# KiCad board Rogelio Pineda - connect 5 AMLDC-2044B.kicad_pcb (continued)
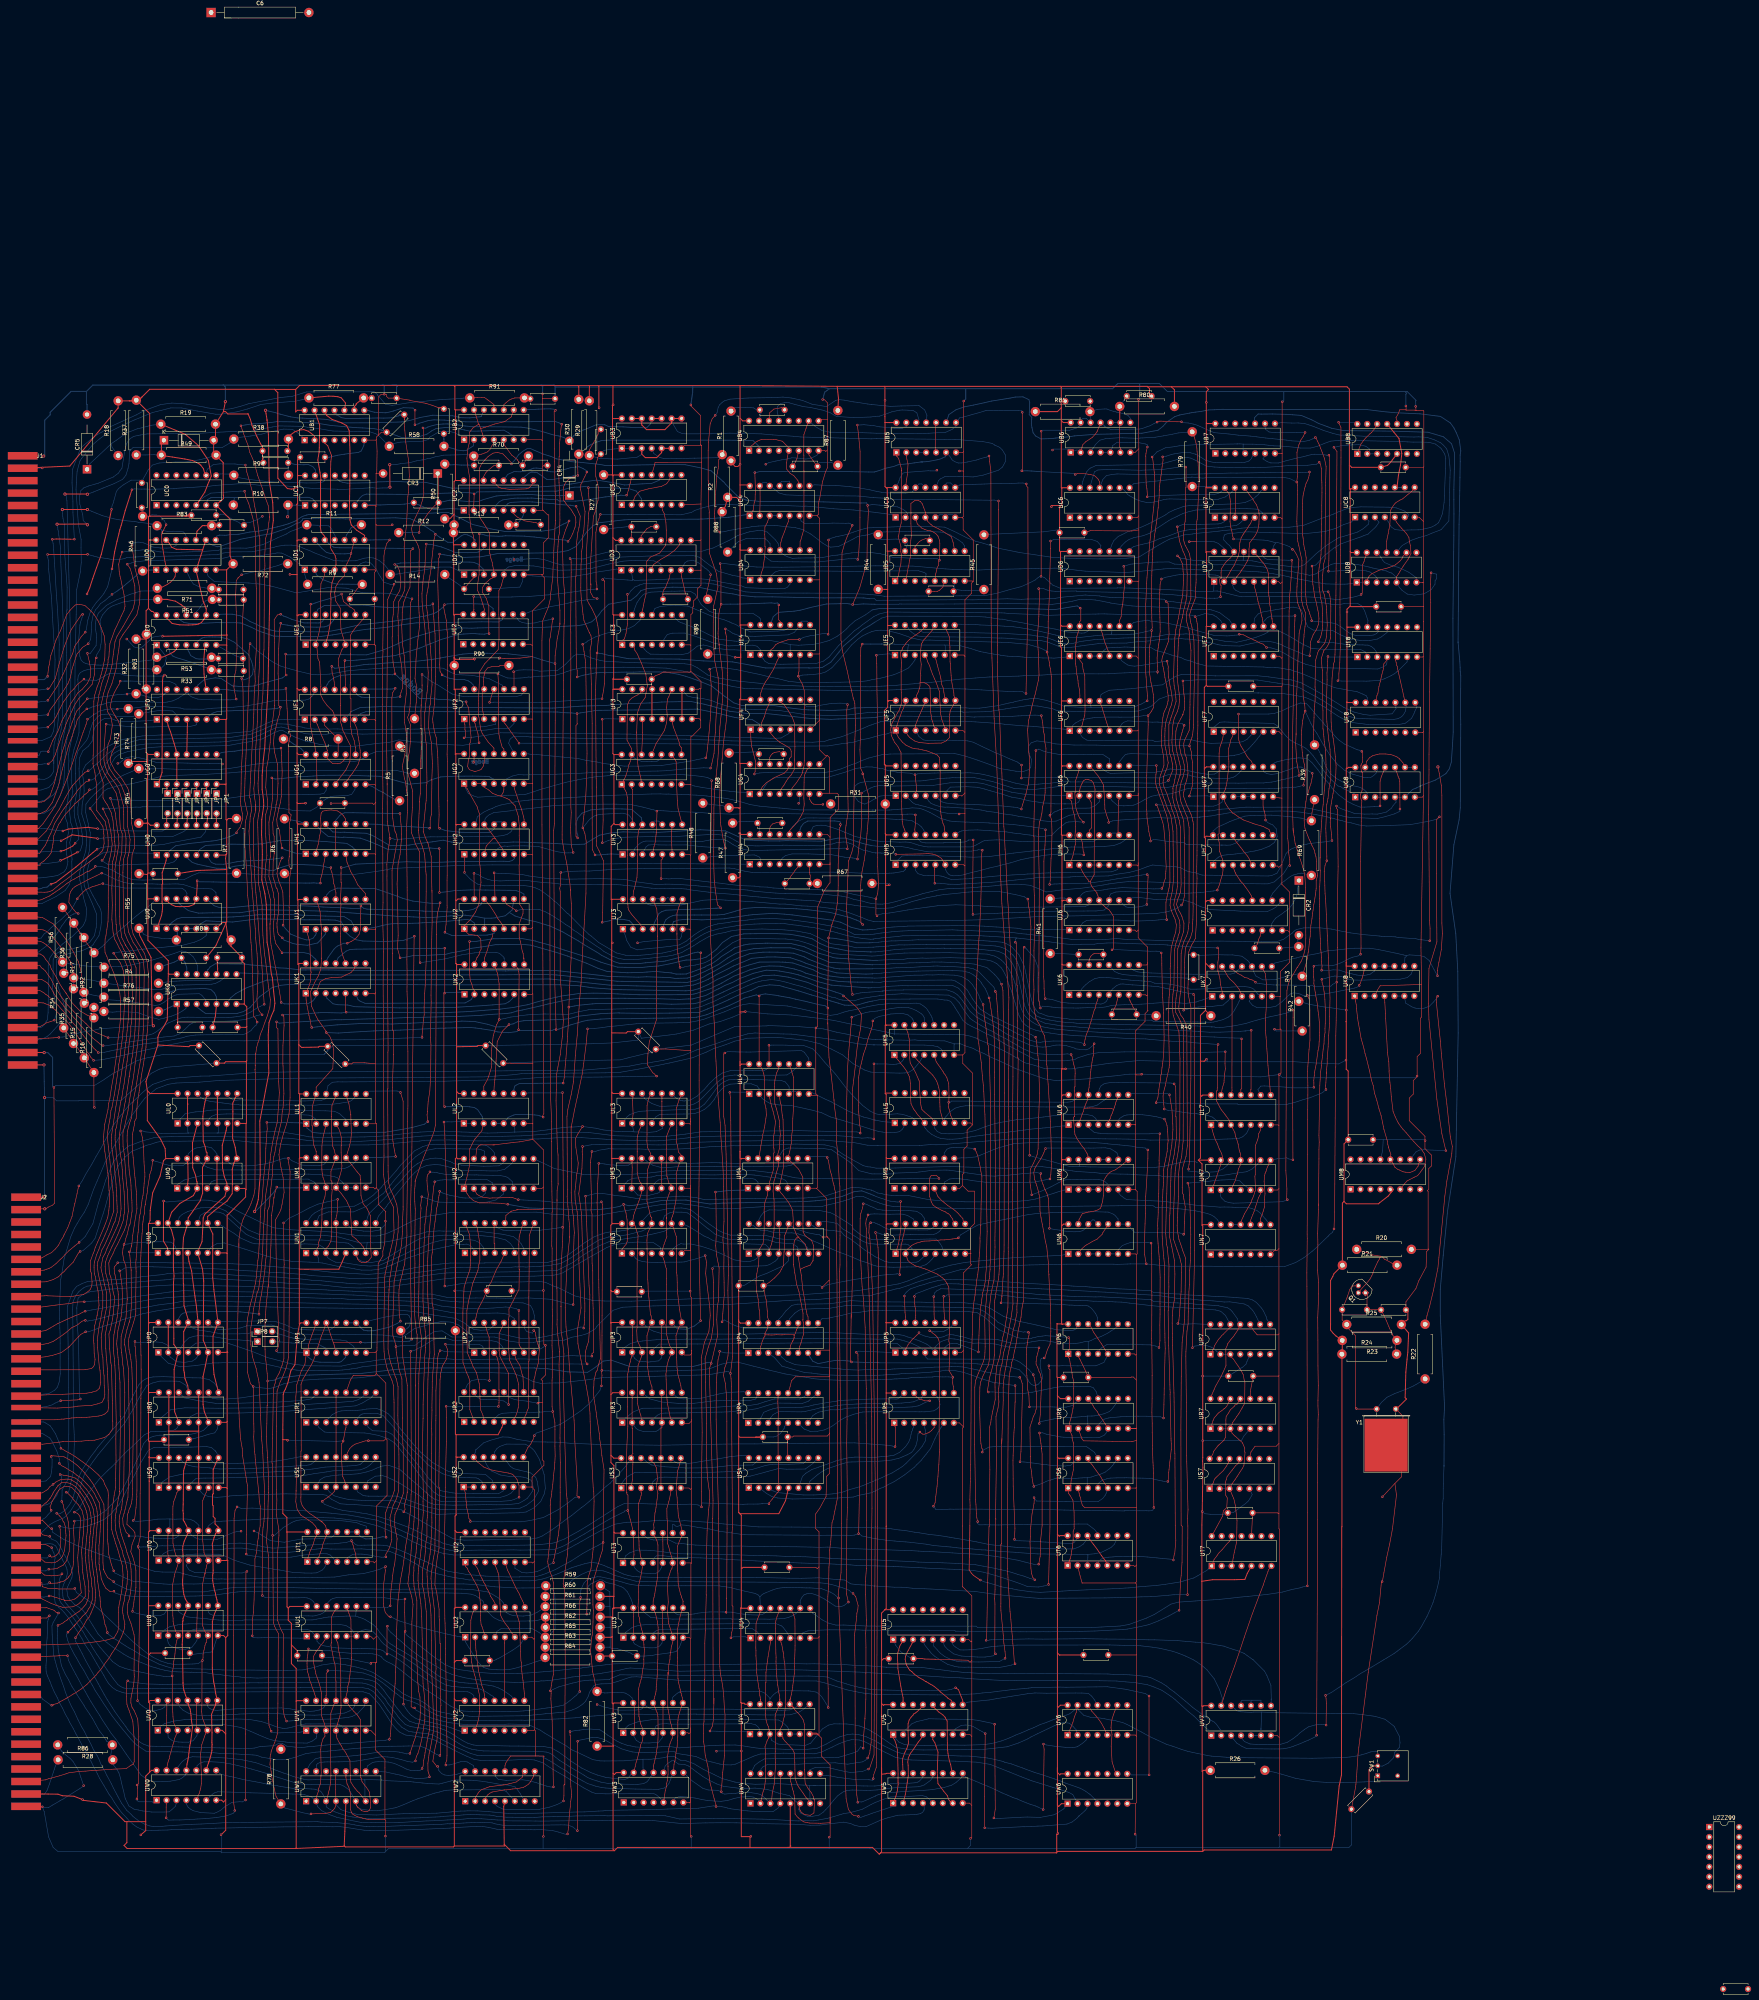
[diagram p0: board, top side]
## Routing (per net, layer and track width the routed paths; a pad name or vN(x,y) marks a point on that pad's centre or on a via; arc(x,y) is an arc through that point) (continued)
M2p6: length 202.3
  Top w0.15: 178.52,68.63 178.5,68.64 ; 178.5,68.64 178.5,71.91 178.51,73.4 178.23,76.15 178.04,77.86 177.83,89.2 177.7,94.91 177.47,98.32 177.27,99.65 177.14,100.54 176.76,104.17 176.79,105.82 176.84,106.76 176.85,107.16 177.41,110.64 177.5,111.89 177.58,112.46 177.57,112.47 177.69,115.57 178.1,121.56 178.03,124.34 178.09,125.51 178.11,126.66 177.86,136.82 178.04,145.48 178.05,145.5 178.05,149.02 178.12,151.6 178.46,161.21 178.72,163.64 178.67,163.69 178.79,165.69 178.59,167.79 178.33,170.36 178.02,175.64 178.05,182.14 178.12,183.16 178.32,190.34 178.43,192.04 178.51,195.08 178.77,196.58 178.87,198.91 179.18,200.34 179.23,201.25 179.39,202.67 179.13,204.83 179.03,206.27 179.08,207.21 179.28,207.83 179.81,208.36 v1(179.81,208.49) ; 178.5,68.64 178.24,66.96 177.82,64.12 177.37,62.1 176.73,59.94 176.35,59.24 v1(176.09,58.04)
  Bottom w0.15: UM2.6 200.85,205.98 200.18,206.64 199.71,207.04 199.11,207.29 197.81,207.54 196.1,207.61 195.9,207.61 192.23,207.68 191.77,207.71 191.27,207.69 186.82,207.74 185.12,207.78 183.77,207.85 182.21,208.13 181.61,208.28 180.88,208.39 180.33,208.41 v1(179.81,208.49) ; 150.71,55.38 150.79,57 151.06,57.33 151.61,57.61 151.85,57.65 152.9,57.78 153.69,57.81 154.74,57.8 156.34,57.81 159.89,57.9 161.08,58.03 163.09,58.35 164.85,58.65 166.69,59.01 167.73,59.12 168.87,59.07 170.12,58.95 172.57,58.36 174.03,57.92 175.37,57.71 v1(176.09,58.04)
M2p9: length 122.9
  Top w0.15: UN5.10 313.53,195.69 313.38,196.43 312.91,197.03 312.81,197.3 312.33,197.77 311.91,197.97 311.47,198.29 310.63,198.63 309.2,199.38 308.36,200.01 307.94,200.73 307.86,200.97 307.49,202.23 307.44,206.34 307.58,207.1 307.86,207.52 308.58,207.62 309.24,207.53 309.56,207.25 309.84,206.83 v1(309.86,206.81) 309.89,206.83 309.96,206.83
  Bottom w0.15: UM2.9 208.78,210.71 211.57,209.35 214.85,208.67 216.7,208.3 219.04,207.82 222.03,207.89 227.35,207.86 228.17,207.81 231.61,207.89 232.68,207.97 234.92,208.11 239.39,208.62 240,208.74 244.74,208.83 247.47,208.78 254.11,208.87 258.19,208.84 258.02,208.8 258.58,208.84 262.36,208.84 262.89,208.77 266.08,208.39 268.17,208.14 269.35,207.86 270.7,207.53 272.92,206.99 274.42,206.85 278.9,206.82 292.82,206.64 308.56,206.81 309.86,206.81 v1(309.86,206.81)
M3p1: length 48.1
  Bottom w0.15: 230.32,206.15 230.39,206.23 230.4,206.23 ; 230.32,206.15 228.82,204.65 UM3.1 ; 230.32,206.15 231.46,206.83 233.66,207 236.37,207.16 237.73,207.52 242.5,207.84 245.27,207.78 252.53,207.71 254.53,207.76 260.95,207.8 262.66,207.68 266.84,207.11 268.8,206.89 269.82,206.72 270.68,206.32 271.22,205.51 UM4.5 UM4.6
M3p12: length 41.4
  Bottom w0.15: UM4.9 273.36,211.13 273.01,210.83 272.75,210.62 272.13,210.21 270.97,209.97 264.63,209.89 264.15,209.87 262.42,209.82 257.84,209.79 256.35,209.9 255.54,209.84 253.12,209.84 252.42,209.81 251.26,209.88 243.78,209.87 240.59,209.6 239.21,209.51 236.81,210.15 235.57,210.88 235.1,211.31 234.2,211.92 UM3.12
M5p5: length 12.4
  Top w0.15: UM5.5 308.97,204.01 309.12,203.29 309.46,202.5 309.55,202.29 309.81,201.97 310.53,201.19 310.96,200.85 311.22,200.61 312.08,199.93 312.72,199.48 313.55,198.95 313.94,198.64 314.54,198.09 314.79,197.85 315.28,197.29 315.39,197.17 315.97,196.56 316.12,195.64 UN5.9
M5p9: length 191.7
  Top w0.15: 320.5,194.85 320.55,194.8 ; 320.55,194.8 320.34,191.57 320.37,190.83 320.27,187.79 320.11,186.38 320.05,184.76 319.77,182.23 319.47,180.67 319.38,179.54 319.18,178.28 319.09,177.03 318.86,175.71 318.68,174.47 318.57,172.92 318.48,172.08 318.37,166.87 318.14,160.19 317.98,133.68 317.93,132.16 317.92,130.24 317.87,129.31 317.76,124.81 317.81,123.33 317.76,118.17 ; 320.55,194.8 320.63,200.26 320.66,201.14 320.83,207.32 320.56,208.69 320.44,209.6 320.18,210.76 319.79,212.59 319.37,213.65 v1(319.01,214.32) ; UT7.1 380.17,109.51 380.8,110.3 380.96,110.59 381.46,111.27 382.22,111.99 383.37,113.39 384.19,114.23 384.64,115.45
  Top w0.2: 317.76,118.17 317.58,106.85 318.15,105.99 318.72,105.4 320.39,104.25 v1(320.45,104.25)
  Bottom w0.15: v1(319.01,214.32) 318.93,214.32 318.22,214.51 ; UM5.9 311.2,213.29 311.9,214.28 312.67,214.61 313.16,214.65 313.56,214.66 314.4,214.66 316.5,214.67 318.18,214.52 ; UT7.1 378.3,106.69 377.36,106.19 376.03,105.36 374.94,104.76 373.12,104.24 372.27,103.98 371.52,103.76 367.76,103.16 365.47,102.86 362.55,102.64 360.95,102.51 358.4,102.24 357.44,102.2 356.08,102.09 354.31,102.03 353.08,101.96 347.69,101.74 343.34,101.53 341.35,101.42 335.83,101.1 333.54,101.22 329.81,101.74 328.7,101.99 325.73,102.52 324.43,102.97 322.54,103.52 321.32,103.81 v1(320.45,104.25)
M6p2: length 5.1
  Bottom w0.15: UM6.2 UM6.3 UM6.4
M6p6: length 42.1
  Bottom w0.15: UM6.6 355.68,203.56 355.87,202.94 356.33,202.43 356.74,202.13 357.15,201.82 357.85,201.4 367.38,200.96 369.01,200.72 369.79,200.54 370.81,200.54 372.73,200.31 373.49,200.29 374.8,200.05 376.76,199.87 381.68,199.48 382.75,199.52 383.7,199.5 384.83,199.47 385.66,199.41 388.93,199.37 389.87,199.1 391.13,198.6 391.98,197.96 393.23,196.5 393.49,196.22 393.88,195.69 UN7.8
M6p8: length 23.3
  Top w0.15: UN6.13 345.66,196.32 346.49,197.8 347.52,198.1 347.77,198.18 348.83,198.33 349.83,198.54 350.51,198.8 351.13,199.2 351.29,199.65 351.45,200.15 351.68,200.96 351.86,202.36 351.95,206.2 352.45,207.1 352.71,207.47 353.35,208.2 353.92,208.61 354.95,209.01 356.46,210.11 356.95,210.52 UM6.8
M6p11: length 2.5
  Bottom w0.15: UM6.11 UM6.10
M7p6: length 9.3
  Top w0.15: UM7.6 392.03,202.9 391.82,202.47 391.52,201.89 390.82,199.74 390.39,198.39 390.05,197.56 389.77,196.87 389.49,196.11 UN7.10
MSKO: length 47
  Top w0.15: UJ1.11 155.79,279.74 155.54,280.61 155.52,281.28 155.21,282.14 155,283.81 154.73,285.01 154.45,285.75 154.45,286.17 v1(154.49,286.2) 154.45,286.24 154.45,286.26
  Bottom w0.2: UH0.4 118.05,288.4 118.2,288.28 119.07,287.53 120.33,287.08 122.78,286.55 125.29,286.03 127.71,286 129.99,286.56 132.33,286.87 133.8,286.73 135.31,286.43 136.5,286.09 137.39,285.88 138.53,285.52 139.91,285.46 140.77,285.92 143.98,286.92 146.66,287 151.42,286.77 152.49,286.57 153.08,286.42 153.63,286.24 v1(154.49,286.2)
N0p2: length 289.4
  Top w0.25: 111.88,201.08 111.85,201.05 v1(111.72,201.05) 111.72,200.92 111.71,200.92 111.7,190.83 112.76,189.04 UN0.2
  Bottom w0.15: v1(111.72,201.05) 112.48,200.8 115.44,201.04 121.16,201.3 123.31,201.25 124.19,201.06 126.65,200.57 129.33,199.19 131.54,198.03 135.07,196.34 137.27,195.26 139.97,194.19 144.2,193.71 148,193.52 155.01,193.12 156.98,192.8 160.23,192.38 161.71,192.18 166.13,192.11 168.5,192.65 171.16,193.81 173.37,194.95 175.32,195.94 177.91,196.95 183.7,197.87 184.95,198.09 207.12,198.2 210.8,197.7 213.71,197.55 214.71,197.41 222.13,197.23 224.51,197.69 228.2,198.33 229.92,198.58 234.21,199.34 236.45,199.75 239.02,200.15 241.13,200.33 243.79,200.36 247.38,199.94 251.96,199.11 257.94,199.17 267.51,199.76 280.07,199.69 281.54,200.05 283.97,200.64 285.42,201.05 287.07,201.54 288.91,202.26 289.57,202.25 290.53,202.18 292.82,201.17 294.11,200.75 294.73,200.5 295.55,200.25 296.64,199.91 298.31,199.64 299.32,199.61 310.28,199.28 311.59,199.22 317.21,199.12 317.45,199.09 317.73,199.1 323.99,198.92 325.69,198.89 328.9,198.93 330.09,199.23 332.57,199.45 333.58,199.57 337.81,199.67 338.66,199.65 355.67,199.83 356.59,199.86 363.82,199.88 364.56,199.85 365.18,199.44 367.81,199.37 369.51,199.19 371.95,199 372.64,198.87 375.16,198.6 375.35,198.55 376.74,198.27 378.49,197.83 379.26,197.58 380.15,197.07 380.98,196.32 UN7.13
N1p4: length 519.7
  Top w0.15: 253.02,46.3 v1(252.9,46.4) 252.88,46.87 252.44,48.35 251.34,52.58 251.22,53.63 250.83,56.61 250.15,59.48 249.93,61.67 249.71,63.05 249.72,64.98 249.65,66.98 249.83,68.03 249.99,78.9 250.03,78.94 250.03,88.07 250.16,91.33 250.41,100.43 250.39,100.45 250.46,110.21 250.62,116.82 251.01,122.15 251.13,123.28 251.22,124.84 251.17,127.06 250.76,130.09 250.64,131.61 250.58,132.85 250.52,135.29 250.51,139.42 250.49,144.31 250.22,154.81 250.11,160.81 250.49,162.17 250.89,163.61 251.76,166.15 252,168 252.24,169.57 252.27,174.11 252.29,178.03 252.24,180.32 v1(252,183.79) ; 149.45,44.45 v1(149.41,44.51) 153.17,44.67 154.31,44.85 154.39,44.85 154.91,45.32 155.51,46.03 155.63,46.45 155.79,47.76 155.7,50.69 155.75,55.25 ; UW4.13 UW4.4 ; UN4.4 269.1,187.79 269.2,192.5 ; 142.37,195.57 142.37,195.5 v1(142.41,195.46) 142.51,185.84 142.56,184.85 142.52,184.31 142.49,160.79 142.01,159.06 141.29,157.12 140.49,155.67 140.26,154.54 139.8,153.08 139.62,141.47 139.56,140.51 139.45,134.12 139.56,134.01 139.56,115.7 v1(139.61,115.66) 139.56,115.61 139.56,114.9 139.65,112.22 139.78,93.41 140.12,92.4 140.53,91.56 141.07,90.62 140.96,72.79 140.93,70.46 140.87,68.98 140.89,68.08 140.91,67.49 140.85,67.09 140.95,65.91 140.83,65 140.57,64.1 140.17,62.82 139.66,61.59 139.26,60.56 139.24,60.56 139.14,59.75 138.95,59.04 139.01,58.06 138.95,57.54 138.93,57.17 139.1,56.15 139.23,55.28 139.32,54.4 139.39,53.93 139.68,52.9 139.89,51.58 140.09,50.78 140.22,49.95 140.49,48.96 R78.1 ; 156.26,201.47 v1(156.23,201.47) 156.17,199.19 156.08,198.07 155.99,197.31 155.77,196.59 155.78,196.56 UN1.13 155.83,194.34 155.9,192.49 155.93,188.97 UN1.4 ; 269.22,192.33 UN4.13
  Bottom w0.15: R78.1 142.76,46.01 144.85,45.48 147.22,44.83 149.3,44.4 v1(149.41,44.51) ; UT1.8 163.49,116.75 163.54,117.99 162.01,118.5 161.09,118.89 158.46,119.26 156.5,119.46 146.96,119.63 145.67,119.44 144.54,118.99 142.87,117.98 142.3,117.62 141.69,117.06 140.06,115.66 v1(139.61,115.66) ; UW4.4 268.8,46.07 268.25,45.65 267.45,45.1 264.12,45.1 262.14,45.19 260.86,45.29 259.89,45.4 256.66,45.82 255.87,46 255.17,46.22 254.41,46.34 253.76,46.48 v1(252.9,46.4) 252.44,46.54 252.2,46.56 251.19,46.4 248.37,45.97 246.8,45.89 245.41,45.9 240.58,45.76 237.73,45.64 224.67,45.41 224.04,45.28 222.85,45.24 219.36,45.02 217.28,45 208.38,44.73 201.62,44.55 199.86,44.63 195.9,44.99 194.77,45.11 191.9,45.28 189.41,45.29 188.72,45.25 187.64,45.24 185.5,45.08 185.31,45.02 181.56,44.7 174.55,44.59 173,44.56 171.86,44.51 166.11,44.23 161.2,44.39 158.46,45.1 157.06,45.59 155.91,46.75 155.79,47.76 ; UN4.4 268.69,186.32 268.02,185.68 266.65,184.85 265.66,184.51 257.91,184.28 256.4,184.27 253.99,184.36 252.4,184.41 252,183.85 v1(252,183.79) ; v1(142.41,195.46) 143.74,196.61 145.9,197.64 149.04,199.3 151.17,200.24 153.47,200.82 v1(156.23,201.47)
N1p9: length 43.9
  Bottom w0.15: UN1.9 166.65,197.19 168.34,199.21 168.74,199.7 169,200.16 172.98,204.93 174.52,206.86 175.88,208.26 177.17,209.37 179.03,210.15 181.08,210.36 182.53,210.25 185.89,209.41 187.2,208.9 192.89,208.81 194.35,208.75 197.09,208.73 198.91,209.15 199.5,209.65 200.92,210.77 UM2.11
N1p10: length 44.4
  Bottom w0.15: 176.62,210.58 178.09,211.43 179.94,211.89 181.14,212 182.66,211.92 183.91,211.4 184.87,211.17 185.8,210.69 187.92,210.2 189.45,210.12 193.51,209.94 195.32,209.97 197.43,210.03 198.01,210.43 198.52,210.84 UM2.12 ; 176.62,210.58 175.73,209.94 175.38,209.65 174.92,209.1 174.45,208.62 174,208.09 173.28,207.38 172.67,206.54 171.02,204.84 169.91,203.53 166.18,199.73 165.58,199.14 164.84,198.41 164.16,197.79 UN1.10 ; 176.62,210.58 176.49,210.5
N1p15: length 52.8
  Bottom w0.15: UN1.15 151.51,197.34 153.85,198.27 156.37,198.29 160.24,198.26 163.51,199.66 166.75,202.2 167.92,203.01 169.85,205.27 170.45,206.08 173.54,209.6 174.61,210.88 176.15,212.36 178.39,213.89 181.26,214.43 183.27,214.42 192.23,214.31 193.01,214.1 193.8,213.77 193.8,213.2 UM2.14
N1p16: length 58.1
  Bottom w0.15: UM2.13 196.29,212.89 196.36,213.24 195.55,214.24 194.32,215.19 193.1,215.4 185.43,215.56 179.66,215.48 177.95,214.94 175.85,213.85 172.24,210.13 171.15,208.73 168.83,206.11 167.96,205.31 167.4,204.55 165.25,202.48 163.49,201.27 160.53,199.74 153.08,199.26 151.58,198.69 150.37,198 149.64,197.42 UN1.16
N2p9: length 51.4
  Top w0.15: 205.08,151.42 205.04,151.45 ; 205.04,151.45 205.04,148.3 204.72,147.65 204.37,146.61 203.79,145.34 UR2.7 ; 205.04,151.45 205.04,160.1 205.11,160.17 205.11,166.27 205.08,166.3 205.08,176.73 205.18,187.68 205.18,192.24 205.9,194.25 UN2.9
N2p10: length 52.6
  Top w0.15: UN2.10 203.35,194.62 202.91,193.09 202.61,191.89 202.49,189.9 202.51,189.8 202.58,183.64 202.7,183.53 202.63,183.46 202.56,178.48 201.68,176.81 201.05,175.51 199.99,173.47 200.01,171.55 199.85,170.79 199.9,170.74 199.9,163.16 199.85,163.12 199.94,163.02 200.13,160.43 201.12,158.21 201.86,156.52 202.49,154.15 202.49,149.2 202.35,148.22 202.1,147.2 201.72,146.12 201.25,145.43 UR2.6
N2p15: length 52.2
  Top w0.15: UN2.15 191.91,194.23 192.42,190.9 192.53,190.33 192.56,185.94 192.31,184.82 192.07,183.36 190.72,179.93 189.67,175.5 189.24,173.11 189.22,168.36 189.33,162.37 190.31,160.1 190.79,158.83 191.69,157.19 192.39,154.42 192.51,153.34 192.58,150.81 192.6,150.57 192.79,147.63 193.35,146.33 193.51,144.74 UR2.3
N2p16: length 51.9
  Top w0.15: UN2.16 189.13,194.51 189.92,192.49 190.23,188.96 190.18,188.91 190.18,186 190.23,185.95 190.1,184.61 190.02,183.52 189.21,181.21 188.53,179.04 188.27,174.01 188.22,172.47 188.22,167.78 188.29,167.71 188.19,167.6 188.24,159.85 189.11,157.31 189.65,156.14 190,155.06 189.97,152.6 190,151.03 190,147.76 190.65,146.01 UR2.2
N4p9: length 27.7
  Bottom w0.15: UN4.9 280.04,195.86 280.78,195.81 282.67,195.58 283.91,195.26 285.2,193.94 286.85,193.01 288.43,192.03 290.53,190.69 292.11,190.14 293,190.1 293.5,190.06 293.79,190.03 300.98,190.03 301.39,190.04 301.99,189.89 302.66,189.29 302.98,188.85 UN5.3
N4p10: length 33.7
  Bottom w0.15: UN4.10 277.75,194.67 278.65,194.05 279.28,193.85 281.34,193.62 282.8,193.5 284.83,193.24 285.67,192.24 287.15,191.4 289.08,189.96 290.14,189.12 290.98,188.48 292.06,187.84 292.19,187.75 293.08,187.13 293.62,186.79 296.05,185.61 296.99,185.41 297.93,185.36 301.27,185.36 303.24,185.3 304.22,185.44 304.7,185.67 305.02,185.94 305.66,186.53 305.69,186.53 306.4,187.24 UN5.4
N4p15: length 54.3
  Bottom w0.15: UN4.15 263.83,196.19 264.31,197.17 265.05,198.12 266.45,198.77 279.36,198.63 282.04,198.08 283.04,197.65 286.68,195.39 287.69,194.7 287.96,193.9 288.43,193.56 289.28,192.87 290.28,192.16 291.55,191.65 292.72,191.2 302.7,191.23 307.57,191.33 309.1,191.33 309.54,190.96 310.31,189.94 310.65,189.31 310.79,188.81 310.91,188.62 UN5.6
N4p16: length 51.3
  Bottom w0.15: UN5.5 308.94,187.28 308.22,186.37 308.04,186.14 307.3,185.4 306.54,184.8 305.34,184.39 303.89,184.22 302.76,184.19 301.68,184.2 298.29,184.13 297.29,184.16 294.6,184.29 294.38,184.33 293.6,184.51 292.84,184.74 291.39,185.31 289.78,185.81 287.99,186.57 286.07,187.36 284.5,187.93 282.33,188.83 280.56,189.64 279.18,190.26 277.78,190.84 275.78,192.02 273.87,192.66 273.25,192.79 272.23,192.92 271.37,192.89 267.51,193.05 265.94,193.47 264.23,193.62 263.27,194.08 262.51,194.77 UN4.16
N5p11: length 173
  Top w0.15: 293.09,53.47 v1(293.06,53.53) 293.2,54.54 293.83,56.31 293.94,57.61 294.13,117.95 294.19,159.87 294.39,186.57 294.29,189.11 293.99,191.48 293.83,192.32 v1(293.65,193.01)
  Bottom w0.15: UW4.9 280.38,54.24 281.12,54.32 282.13,54.21 283.85,53.88 285.85,53.61 288.81,53.24 291.8,53.24 292.06,53.22 292.96,53.11 v1(293.06,53.53) ; UN5.11 310.58,194.08 310.3,193.65 309.92,193.24 309.2,192.74 308.41,192.49 303.17,192.44 302.62,192.43 302.61,192.44 297.37,192.33 296.91,192.35 296.25,192.42 295.69,192.44 295.06,192.61 294.66,192.79 294.24,192.89 v1(293.65,193.01)
N5p12: length 174.2
  Top w0.15: 291.79,56.05 v1(291.84,55.97) 292.11,56.05 293.27,59.55 293.57,117.95 293.57,129.93 292.9,177.71 292.2,191.6 291.95,192.99 292.03,194.44 292.03,195.13 v1(292.41,195.51)
  Bottom w0.15: v1(292.41,195.51) 292.62,195.51 293.3,195.54 293.65,195.38 294.17,195.17 294.68,194.96 295.81,194.32 296.74,193.9 297.44,193.69 303.92,193.69 304.62,193.65 306.94,193.67 307.29,193.72 307.8,193.88 308.37,194.29 UN5.12 ; v1(291.84,55.97) 290.35,55.38 287.34,55.07 285.07,55.51 282.93,56.02 281.52,56.4 279.66,56.42 278.29,56.37 276.88,55.81 UW4.10
N5p13: length 188.9
  Top w0.15: v1(290.53,200.35) 290.35,199.32 289.87,197.77 289.72,196.57 289.71,189.36 290.04,182.48 290.22,179.31 290.55,176.07 291.01,168.75 291.12,158.7 291.29,153.22 291.25,147.79 291.4,125.66 291.35,119.49 291.35,107.22 291.33,107.19 291.07,103.81 291.14,100.53 291.3,94.08 291.35,94.03 291.14,90.67 291.21,87.03 291.21,80.46 291.18,80.44 291.18,75.01 291.18,73.8 290.95,68.79 ; 290.54,61.61 290.64,64.82 290.79,66.58 290.97,68.97 ; v1(290.5,61.29) 290.43,61.27
  Bottom w0.15: UW4.16 262.83,56.95 263.88,57.75 265.26,58.57 274.21,58.75 278.95,58.85 281.92,58.92 284.24,58.97 288.25,60.18 289.09,60.56 289.86,61.68 v1(290.5,61.29) ; v1(290.53,200.35) 290.97,200.31 291.47,200.13 291.88,199.94 292.43,199.66 293,199.47 294.04,198.95 295.46,198.72 298.46,198.6 299.56,198.62 302.02,198.59 302.71,198.56 303.24,198.5 304.18,198.42 305.46,197.61 305.46,197.59 305.71,197.22 306.11,196.69 UN5.13
N5p14: length 181.5
  Top w0.15: v1(291.75,197.49) 291.27,196.26 291.16,195.27 291.31,193.94 291.27,191.94 291.6,187.76 292.03,176.72 292.69,145.97 292.75,122.53 292.68,117.29 292.58,65.61 292.54,62.81 292.42,61.79 292.23,60.69 292.2,60.09 v1(291.65,58.79) 291.65,58.77
  Bottom w0.15: v1(291.65,58.79) 291.06,58.21 290.28,57.8 288.51,57.54 286.57,57.22 284.97,57.34 283.33,57.57 279.26,57.44 277.11,57.41 274.03,57.21 268.6,57.19 266.97,57.19 266.03,57.14 264.88,56.53 264.4,55.99 264.25,54.8 ; UN5.14 303.33,196.44 301.83,197.36 300.68,197.67 299.85,197.72 297.34,197.67 293.33,197.75 292.34,197.7 v1(291.75,197.49)
N6p3: length 2.5
  Bottom w0.15: UN6.3 UN6.4
N6p10: length 11.1
  Top w0.15: UN6.2 345.47,187.72 346.43,188.91 347.29,189.68 347.63,189.86 349.15,190.76 350.25,191.3 351.54,192.51 351.73,192.93 352.44,194.01 UN6.10
N7p12: length 29.2
  Top w0.15: UL7.6 391.95,218.97 391.53,218.19 391.51,217.6 391.3,216.67 390.75,215.29 390.69,214.58 390.69,207.87 390.59,207.33 390.77,203.66 390.57,203.43 390.29,202.37 389.84,201.38 389.59,200.64 389.25,200.02 388.72,199.09 387.94,197.79 387.62,197.06 387.13,196 386.95,195
  Bottom w0.15: UN7.12 386.95,195
P0p1: length 279.7
  Top w0.15: v1(219.99,159.42) 219.61,159.95 219.51,162.48 219.9,163.91 220.35,165.23 220.55,168.41 220.66,177.13 220.46,179.36 219.83,195.78 219.74,197.24 v1(219.55,202.28)
  Bottom w0.15: 292.57,203.83 293.2,203.58 294.18,203.1 295.31,202.9 296.33,202.64 297.72,202.49 299.13,202.47 302.14,202.43 305.69,201.7 307.36,201.38 310.9,201.04 314.64,200.99 315.73,200.9 316.32,200.84 328.23,200.81 328.25,200.83 332.49,201.19 334.57,201.56 337.91,202.6 340.58,203.49 341.85,203.85 UM6.1 ; 292.57,203.83 291.34,204.08 290.28,204.35 288.56,204.51 287.24,204.41 283.96,203.35 280.42,202.21 277.46,201.91 276.59,201.89 275.48,201.81 271.04,201.72 269.45,201.74 262.93,201.66 260.82,201.68 250.01,201.38 247.85,201.9 244.49,202.28 243.54,202.27 237.17,201.82 235.81,201.53 234.19,201.47 232.32,201.76 231.1,201.96 229.55,202.22 227,202.48 225.82,202.7 223.88,202.98 222.25,202.96 220.74,202.63 v1(219.55,202.28) ; 292.57,203.83 292.66,203.82 ; UP0.1 110.4,162.04 112.93,159.63 116.05,158.7 119.79,159 124.61,159.7 125.69,159.7 128.56,159.82 136.26,159.74 142.61,158.32 145.81,157.85 147.18,157.77 156.4,157.81 157.41,157.88 159.23,158.09 159.76,158.17 161.25,158.38 162.48,158.7 165.41,159.02 167.1,159.26 172.16,159.67 173.54,159.76 178.17,159.76 178.75,159.76 179.64,159.79 180.96,159.64 181.6,159.52 218.63,159.41 v1(219.99,159.42)
P0p4: length 332.2
  Top w0.15: 220.8,210.82 v1(221.18,213.69) ; v1(221.18,161.42) 221.18,162 221.62,162.44 221.5,173.56 221.45,174.94 221.43,176.3 221.4,183.2 221.31,184.53 221.23,185.09 221.21,197.71 220.97,198.52 221.11,201.79 221.01,203.59 220.82,210.97
  Bottom w0.15: v1(221.18,161.42) 220.17,161.46 217.4,161.49 216.19,161.59 214.77,161.49 212.4,161.28 208.81,160.64 202.35,160.72 201.82,160.67 200.42,160.73 188.47,160.54 188.45,160.56 185.84,160.62 184.5,160.73 180.59,160.86 178.98,160.94 175.98,161 173.68,161.07 171.56,160.96 170.95,160.95 169.13,160.76 168.6,160.7 168.07,160.59 165.89,160.35 164.63,160.11 160.28,159.55 157.19,158.88 148.24,158.97 144.63,159.41 138.34,161.04 134.28,162.66 130.14,164.06 127.33,165 121.74,164.92 120,164.74 118.71,163.74 UP0.4 ; v1(221.18,213.69) 222.09,213.69 222.85,214 225.44,214.4 226.8,214.35 233.31,214.34 234.88,214.27 242.21,214.29 246.87,214.48 247.76,214.58 251.3,214.9 252.79,214.92 257.27,215.16 258.79,215.15 266.44,215.3 273.27,215.59 280.7,215.39 283.3,214.77 284.2,213.76 285.59,212.82 287.76,211.58 290.47,210.1 291.58,209.78 292.31,209.74 293.81,209.44 295.65,209.44 296.5,209.43 298.68,209.48 312.73,209.85 326.1,209.43 327.31,209.41 329.16,209.41 330.4,209.44 331.56,209.57 332.14,209.59 333.16,209.79 334.87,209.98 336.21,209.82 338.31,209.54 339.74,209.28 341.64,209.09 343.98,208.74 345.06,208.58 349.52,208.32 350.96,208.15 352.19,208.04 352.91,208.02 356.19,207.92 358.04,207.9 359.19,207.87 360.42,207.74 365.1,207.57 365.47,207.56 366.2,207.56 367.25,207.24 369.19,207.24 374.31,207.2 379.35,207.34 380.16,207.42 381.14,207.43 383.97,207.84 385.64,208.13 388.49,208.53 389.86,209.22 390.88,210.09 391.22,210.43 UM7.9
P0p9: length 319.3
  Top w0.15: v1(219.09,168.59) 219.22,169.56 219.33,170.55 219.29,171.4 219.38,172.82 219.38,174.86 218.84,189.52 218.73,190.84 218.56,197.53 217.83,202.89 218.64,209.33 218.76,212.96 218.7,213.6 v1(218.79,214.97)